# Altium PCB Fastino-DIOT.PCBDOC (part 4 of 22) (continued)
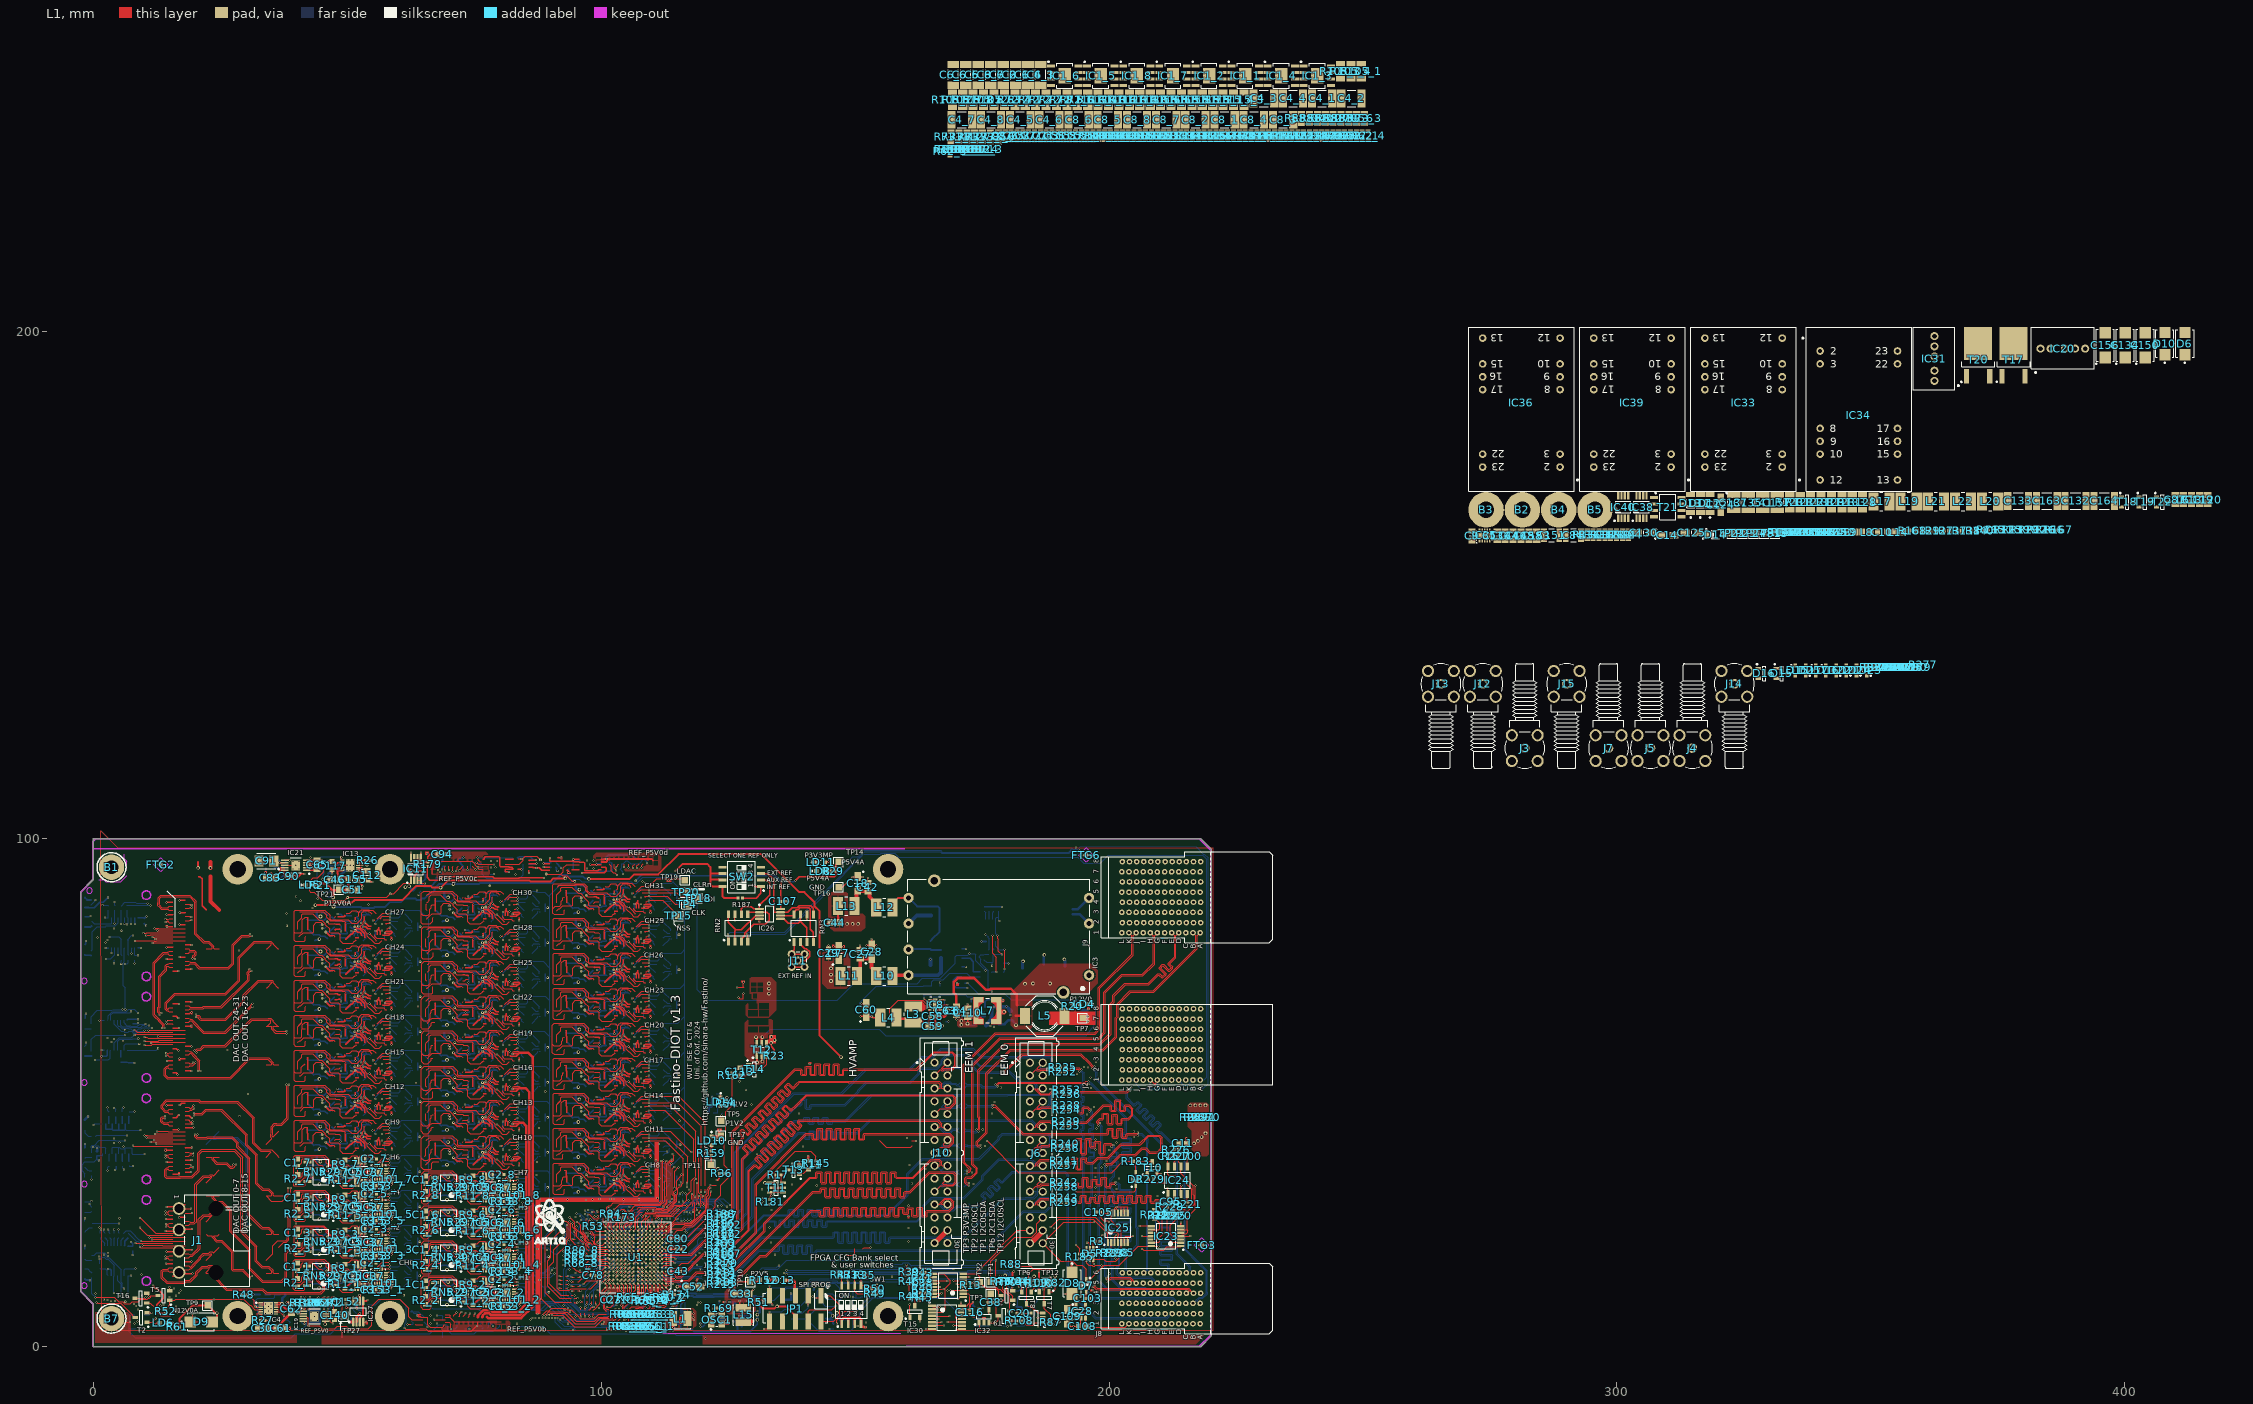
[diagram p0: L1 view]
## Nets (pads, with @x,y where several pads share a name; then routed paths per layer and width w, separated by ;. In a path a pad name is that pad's centre, name@x,y a point inside that pad or via, vN(x,y) a via of type N, cw(c..) or ccw(c..) an arc to the next point about the centre after c; other vN are vias at no path point) (continued)
  L6 w0.152: v1(3.15,80.696) 3.15,24.765 3.251,24.663 3.251,9.961 3.391,9.821 3.391,9.211 3.424,9.178 3.424,9.066 v1(3.472,9.019)
  L8 w0.152: v1(3.15,80.696) 4.997,80.696 5.504,80.189 5.504,78.516 5.504,77.148 5.588,77.064
AFE_IO_2V5_8: U1.N3 | length 211.8
  L1 w0.127: U1.N3@111.2,21.221 111.215,21.221 111.581,21.586 v1(111.581,21.592)
  L3 w0.127: v1(2.769,9.169) 4.236,7.702 5.756,7.702 7.702,5.756 11.777,5.756 11.897,5.877 12.726,5.877 17.522,1.08 110.652,1.08 111.217,1.645 111.489,1.645 112.471,2.627 112.471,2.81 112.644,2.983 112.644,4.457 114.008,5.821 114.008,5.848 114.402,6.241 114.402,6.554 115.023,7.175 115.739,7.175 115.818,7.254 115.962,7.254 116.209,7.501 116.924,7.501 117.907,8.483 117.907,8.647 117.916,8.656 117.916,13.179 117.932,13.195 117.932,17.508 117.525,17.914 117.525,18.622 116.055,20.092 116.023,20.092 116.015,20.101 115.587,20.101 114.591,21.097 114.591,21.264 114.214,21.642 114.046,21.642 114.029,21.659 113.463,21.659 113.458,21.664 113.134,21.664 113.129,21.659 111.947,21.659 111.932,21.644 111.633,21.644 v1(111.581,21.592)
  L6 w0.127: 2.515,10.439 2.515,9.468 2.769,9.214 v1(2.769,9.169)
  L6 w0.152: 2.515,10.439 2.515,15.054 2.445,15.124 2.445,18.023 2.452,18.03 2.452,18.209 2.445,18.216 2.445,23.246 2.343,23.348 2.343,60.949 2.515,61.121 v1(2.515,76.352)
  L8 w0.152: v1(2.515,76.352) 3.409,76.352 4.184,77.128 4.204,77.128 4.204,78.516
AFE_IO_2V5_9: U1.L5 | length 199.4
  L1 w0.127: U1.L5@109.6,19.621 109.614,19.621 109.952,19.958 v1(109.952,19.964)
  L3 w0.127: v1(7.034,9.69) 9.27,9.69 9.944,9.017 14.224,9.017 v1(14.986,9.779)
  L2 w0.127: v1(14.986,9.779) 14.986,9.068 15.367,8.687 15.367,6.667 15.677,6.357 15.677,6.178 20.847,1.008 83.787,1.008 84.988,2.21 84.988,5.543 86.516,7.071 89.849,7.071 92.211,9.433 92.211,14.268 91.625,14.855 91.625,18.432 91.585,18.472 91.585,21.587 91.625,21.627 91.625,23 91.96,23.335 91.96,23.951 92.035,24.025 92.531,24.025 93.095,24.589 93.095,24.68 93.41,24.994 93.41,25.733 93.8,26.123 94.234,26.123 95.492,27.381 96.368,27.381 96.469,27.28 99.415,27.28 99.49,27.204 100.431,27.204 100.8,26.835 100.8,26.076 100.874,26.001 101.253,26.001 103.521,23.733 106.25,23.733 106.625,23.358 106.625,20.842 107.075,20.391 109.525,20.391 v1(109.952,19.964)
  L6 w0.127: v1(7.397,13.97) 7.397,17.02 7.303,17.115 7.303,20.091 7.007,20.387 7.007,41.057 7.288,41.338 7.288,65.253 7.397,65.362 v1(7.397,66.04)
  L8 w0.127: 3.453,64.299 3.453,65.302 3.851,65.7 7.213,65.7 7.288,65.774 7.288,65.857 ; v1(7.034,9.69) 7.034,9.764 6.896,9.902 6.896,13.801 6.734,13.963 6.742,13.97 v1(7.397,13.97)
AFE_IO_2V5_10: U1.M4 | length 206.7
  L1 w0.127: U1.M4@110.4,20.421 110.4,20.431 110.72,20.75 v1(110.72,20.781)
  L3 w0.127: v1(8.338,8.01) 8.389,8.061 13.16,8.061 v1(13.183,8.039) ; v1(110.72,20.781) 111.14,21.201 111.849,21.201 112.052,21.405 112.48,21.405 112.675,21.21 112.707,21.21 113.034,20.883 113.429,20.883 113.57,20.742 114.056,20.742 114.96,19.838 115.95,19.838 117.156,18.633 117.156,17.925 117.678,17.402 117.678,13.3 117.662,13.284 117.662,8.761 117.653,8.752 117.653,8.588 116.819,7.755 115.959,7.755 115.634,7.429 114.918,7.429 114.148,6.659 114.148,6.346 113.754,5.953 113.754,5.926 112.39,4.562 112.39,4.542 112.217,4.369 v1@112.217,3.75
  L2 w0.127: v1(13.183,8.039) 13.183,6.985 13.11,6.912 13.11,6.588 13.338,6.359 13.571,6.359 19.43,0.5 110.555,0.5 112.09,2.035 112.5,2.445 112.5,3.5 v1(112.25,3.75)
  L2 w0.152: v1(8.296,15.367) 8.296,15.3 8.414,15.183 8.414,8.256 8.385,8.228 8.385,8.058 v1(8.338,8.01) ; v1@8.344,15.374 8.344,15.414 8.7,15.77 8.7,55.792 8.418,56.074 8.418,61.103 9.112,61.797 9.112,63.451 9.172,63.511 9.172,65.297 v1(8.768,65.7)
  L8 w0.152: 2.803,64.299 2.952,64.448 2.952,65.178 3.741,65.967 6.429,65.967 6.905,66.443 8.025,66.443 v1(8.768,65.7) ; 6.084,13.963 6.084,15.178 6.274,15.367 v1(8.296,15.367)
AFE_IO_2V5_11: U1.P1 | length 221.5
  L1 w0.127: U1.P1@112.8,22 113.294,22 113.456,22.162 114.256,22.162 115.015,22.92 115.981,22.92 116.699,23.638 117.978,23.638 121.054,26.714 121.054,29.132 121.26,29.337 121.26,29.442 121.59,29.772 121.59,30.531 v1(121.615,30.556)
  L3 w0.127: v1(6.02,11.405) 6.401,11.024 15.42,11.024 15.801,11.405 v1(15.875,11.405)
  L2 w0.127: v1(15.875,11.405) 15.875,6.856 16.185,6.546 16.185,6.389 21.239,1.334 82.93,1.334 84.48,2.885 84.48,3.974 84.525,4.018 84.525,4.973 84.48,5.018 84.48,5.754 86.305,7.579 87.047,7.579 87.227,7.759 88.288,7.759 89.281,8.752 89.281,8.858 90.141,9.717 90.141,13.583 89.757,13.966 89.757,17.056 90.516,17.815 90.516,21.962 91.095,22.54 91.095,23.266 90.704,23.656 90.704,25.782 91.323,26.401 92.562,26.401 92.955,26.793 93.189,26.793 94.395,27.999 105.049,27.999 105.303,28.253 105.953,28.253 106.207,27.999 108.017,27.999 108.237,28.219 111.482,28.219 113.208,29.945 113.208,30.61 113.264,30.666 113.264,32.316 113.917,32.969 116.913,32.969 118.57,31.312 120.622,31.312 120.642,31.293 120.686,31.293 121.042,30.937 121.234,30.937 v1(121.615,30.556)
  L2 w0.152: v1(1.219,64.262) 1.219,58.615 1.166,58.562 1.166,54.762 0.447,54.043 0.447,46.491 1.114,45.824 1.114,38.785 0.711,38.382 0.711,32.711 0.447,32.447 0.447,29.123 0.762,28.807 0.762,23.216 2.048,21.929 v1(2.048,18.124)
  L8 w0.127: 5.434,13.963 5.486,13.911 5.486,12.62 5.695,12.412 5.695,11.73 v1(6.02,11.405)
  L8 w0.152: v1(1.219,64.262) 2.116,64.262 2.153,64.299 ; v1(2.048,18.124) 2.048,18.086 2.681,17.453 3.07,17.453 5.434,15.089 5.434,13.963
AFE_IO_2V5_12: U1.M5 | length 208.3
  L1 w0.127: U1.M5@109.6,20.421 109.639,20.421 109.964,20.745 v1(109.982,20.745)
  L3 w0.127: v1(9.474,14.199) 13.915,14.199 v1(17.101,11.012)
  L2 w0.127: v1(9.296,42.621) 9.258,42.583 9.258,28.419 10.008,27.669 10.008,14.732 v1(9.474,14.199) v1@9.455,14.199 ; v1(17.101,11.012) 18.085,10.029 18.085,6.223 21.819,2.489 81.712,2.489 82.982,3.759 82.982,5.842 85.725,8.585 87.63,8.585 88.24,9.196 88.24,18.978 88.087,19.131 88.087,21.775 88.166,21.854 88.166,27.841 89.941,29.616 111.055,29.616 111.992,30.553 111.992,32.978 113.354,34.341 119.634,34.341 122.453,31.521 122.453,30.115 121.904,29.566 121.904,27.489 121.301,26.886 121.301,26.667 118.171,23.537 115.949,23.537 114.421,22.01 113.933,22.01 113.575,21.652 113.47,21.652 113.458,21.664 113.134,21.664 112.906,21.435 112.906,21.306 112.809,21.21 111.857,21.21 111.841,21.193 111.419,21.193 111.403,21.21 110.952,21.21 110.919,21.177 110.595,21.177 110.563,21.21 110.414,21.21 109.982,20.777 v1(109.982,20.745)
  L8 w0.127: 6.299,42.795 6.473,42.621 v1(9.296,42.621)
  L8 w0.254: 2.399,43.844 2.46,43.782 2.46,42.795 3.699,42.795 ; 3.699,43.844 3.699,42.795 ; 4.999,43.844 4.999,42.647 ; 6.299,43.844 6.299,42.795 6.15,42.647 4.999,42.647 ; 3.699,42.795 3.847,42.647 4.999,42.647
AFE_IO_2V5_13: U1.P2 | length 201.3
  L1 w0.127: U1.P2@112,22 112.409,22.41 113.222,22.41 113.425,22.612 113.425,22.714 113.885,23.174 115.876,23.174 116.593,23.892 117.873,23.892 120.8,26.82 120.8,28.018 120.739,28.08 120.739,29.519 121.138,29.918 121.138,30.815 121.514,31.191 v1(121.564,31.191)
  L3 w0.127: v1(9.601,10.102) 9.609,10.094 9.609,9.711 10.049,9.271 12.149,9.271 13.048,10.169 15.148,10.169 15.31,10.008 v1(16.281,10.008)
  L2 w0.127: v1(16.281,10.008) 16.281,9.957 17.018,9.22 17.018,5.914 21.344,1.588 82.825,1.588 84.226,2.99 84.226,4.079 84.271,4.124 84.271,4.868 84.226,4.912 84.226,5.859 86.2,7.833 86.941,7.833 87.122,8.013 88.183,8.013 89.027,8.857 89.027,15.652 88.941,15.737 88.941,22.531 89.101,22.692 89.344,22.692 90.241,23.588 90.241,25.761 91.102,26.623 91.186,26.623 91.218,26.655 92.16,26.655 92.304,26.799 92.601,26.799 92.85,27.047 92.935,27.047 94.141,28.253 104.944,28.253 105.198,28.507 106.058,28.507 106.312,28.253 107.911,28.253 108.131,28.473 111.377,28.473 112.954,30.05 112.954,30.715 113.01,30.771 113.01,32.422 113.812,33.223 117.018,33.223 118.675,31.566 120.727,31.566 120.747,31.547 120.792,31.547 121.147,31.191 v1(121.564,31.191)
  L6 w0.127: v1(9.601,10.102) 9.601,10.158 9.936,10.493 9.936,11.807 9.861,11.881 cw(c10.42,12.9) 9.401,12.341 9.084,12.659 9.084,18.147 10.008,19.071 10.008,25.089 9.246,25.851 9.246,33.091 9.34,33.328 cw(c10.42,32.9) 9.935,33.956 ccw(c9.881,34.071) 9.994,34.014 10.008,34.041 v1(10.008,37.897)
  L8 w0.127: 3.699,37.944 3.699,39.169 3.773,39.243 4.978,39.243 ; 4.999,37.944 4.999,39.223 4.978,39.243 ; 6.299,37.944 6.299,39.117 6.274,39.141 ; v1(10.008,37.897) 7.646,37.897 7.599,37.944 7.599,38.934 7.391,39.141 6.274,39.141 ; 4.978,39.243 5.109,39.243 5.375,38.976 6.048,38.976 6.213,39.141 6.274,39.141
AFE_IO_2V5_14: U1.N4 | length 190.3
  L1 w0.127: U1.N4@110.4,21.221 110.416,21.221 110.757,21.562 v1(110.757,21.567)
  L3 w0.127: v1(8.687,4.928) 8.722,4.962 13.199,4.962 17.335,0.826 110.758,0.826 111.322,1.391 111.594,1.391 112.725,2.522 112.725,2.705 112.898,2.878 112.898,4.332 112.969,4.402 112.969,4.423 114.262,5.716 114.262,5.742 114.656,6.136 114.656,6.14 114.719,6.203 114.719,6.512 115.128,6.921 115.844,6.921 115.923,7 116.068,7 116.314,7.247 117.03,7.247 118.161,8.378 118.161,8.541 118.17,8.551 118.17,13.074 118.186,13.09 118.186,17.613 117.779,18.02 117.779,18.76 116.129,20.411 115.636,20.411 114.845,21.202 114.845,21.369 114.765,21.449 114.765,21.544 114.3,22.01 113.933,22.01 113.927,22.003 113.821,22.003 113.668,22.156 112.924,22.156 112.778,22.01 111.21,22.01 110.767,21.567 v1(110.757,21.567)
  L2 w0.127: v1(8.067,55.855) 7.676,55.464 7.676,43.121 8.178,42.619 8.178,30.35 7.906,30.077 7.906,20.204 8.084,20.027 8.084,15.707 7.906,15.529 7.906,13.927 7.62,13.641 7.62,5.994 v1(8.687,4.928) ; v1(110.757,21.567) v1@110.83,21.567
  L8 w0.254: 5.41,56.032 6.695,56.032 6.872,55.855 v1(8.067,55.855)
AFE_IO_2V5_15: U1.R1 | length 228.3
  L1 w0.127: U1.R1@112.8,22.8 112.839,22.839 113.19,22.839 114.472,24.121 116.463,24.121 116.488,24.146 117.767,24.146 120.546,26.925 120.546,27.913 120.485,27.975 120.485,29.807 120.884,30.206 120.884,30.921 121.069,31.106 121.069,31.305 v1(121.564,31.801) 122.618,31.801 122.644,31.775
  L3 w0.127: v1(4.064,10.516) 4.92,10.516 5.15,10.746 16.587,10.746 16.792,10.541 v1(16.866,10.541)
  L2 w0.127: v1(-0.092,39.284) v1@0.029,39.284 ; v1(0.029,43.663) 0.029,43.589 -0.092,43.468 -0.092,39.404 v1@0.029,39.284 ; v1@0.036,43.67 0.029,43.678 0.029,46.137 -1.541,47.706 -1.541,50.551 -0.099,51.992 -0.099,56.008 v1(0.331,56.439) ; v1(1.099,17.755) 0.216,18.637 0.216,28.581 -0.24,29.037 -1.084,29.037 -1.503,29.456 -1.535,29.708 cw(c-0.8,29.8) -1.414,30.213 -0.806,31.119 -0.099,32.294 -0.099,32.673 0.009,32.782 0.009,39.109 -0.04,39.158 -0.04,39.216 v1@0.029,39.284 ; v1(16.866,10.541) 16.866,9.732 17.272,9.325 17.272,6.02 21.449,1.842 82.72,1.842 83.972,3.095 83.972,4.184 84.017,4.229 84.017,4.763 83.972,4.807 83.972,5.964 86.095,8.087 86.836,8.087 87.017,8.267 88.078,8.267 88.773,8.963 88.773,15.546 88.687,15.632 88.687,22.701 89.125,23.139 89.125,24.575 89.379,24.829 89.379,25.239 89.987,25.846 89.987,25.866 90.997,26.877 91.017,26.877 92.647,28.507 104.839,28.507 105.135,28.804 106.121,28.804 106.417,28.507 107.806,28.507 108.052,28.753 111.297,28.753 112.7,30.155 112.7,32.673 113.504,33.477 117.348,33.477 118.212,32.614 120.039,32.614 120.852,31.801 v1(121.564,31.801)
  L8 w0.127: v1(-0.092,39.284) 0.301,39.284 0.527,39.51 0.895,39.51 1.137,39.268 2.184,39.268 2.399,39.054 2.399,37.944 ; v1(0.029,43.663) 0.102,43.663 0.284,43.844 1.749,43.844 ; v1(0.331,56.439) 2.946,56.439 3.291,56.784 3.291,58.237 3.453,58.399 ; v1(1.099,17.755) 1.277,17.755 1.438,17.593 2.158,17.593 2.564,17.186 2.96,17.186 4.134,16.012 4.134,13.963 3.973,13.801 3.973,12.491 3.959,12.478 3.959,10.694 4.064,10.589 v1(4.064,10.516)
BGA0: IC23.4 J8.C3 | length 19.8
  L1 w0.127: IC23.4@214.25,21.75 v1(216,21.75)
  L5 w0.127: J8.C3@215.139,8.5 216.139,9.5 218.5,9.5 218.947,9.947 218.947,15.553 215.5,19 215.5,21.676 215.574,21.75 v1(216,21.75)
BGA1: IC23.1 J8.F3 | length 30.5
  L1 w0.127: v1(206.5,19.25) 206.552,19.25 206.802,19 210.75,19 211.388,19.638 214.138,19.638 IC23.1@214.25,19.75
  L5 w0.127: v1(206.5,19.25) 204.25,19.25 202.143,17.143 202.143,15.051 201.616,14.525 201.616,10.384 202.25,9.75 209.689,9.75 J8.F3@210.939,8.5
BGA2: IC23.11 J8.I3 | length 21.5
  L1 w0.127: v1(206.5,21.75) IC23.11@208,21.75
  L5 w0.127: v1(206.5,21.75) 204.254,19.504 204.145,19.504 201.889,17.248 201.889,17.081 201.511,16.704 201.344,16.704 201.246,16.605 201.246,11.855 201.246,10.395 201.898,9.743 202.145,9.496 205.743,9.496 J8.I3@206.739,8.5
BGA3: IC23.8 J8.L3 | length 20.6
  L1 w0.127: v1(206,23.75) IC23.8@208.5,23.75
  L5 w0.127: J8.L3@202.539,8.5 201.5,9.539 201.5,9.782 200.992,10.29 200.992,14.742 200.992,16.71 201.239,16.958 201.406,16.958 201.635,17.186 201.635,17.353 204.04,19.758 204.149,19.758 206,21.609 v1(206,23.75)
BP_I2C.SCL: D5.3 J8.B2 R233.1 | length 36.3
  L1 w0.127: D5.3@195.6,19.35 195.6,18.65 196,18.25 v1(196.75,18.25) 198.25,18.25 198.75,17.75 200.109,17.75 R233.1@200.279,17.92
  L6 w0.127: v1(196.75,18.25) 196.75,18.198 196.5,17.948 196.5,16 196.75,15.75 197,15.75 197.75,15 197.75,9.5 201.75,5.5 215.639,5.5 J8.B2@216.639,6.5
BP_I2C.SDA: D5.1 J8.C2 R3.1 | length 31
  L1 w0.127: R3.1@197.25,20.75 197.25,20.73 196.9,20.38 D5.1@196.9,19.35 197,19.25 v1(198.75,19.25)
  L6 w0.127: v1(198.75,19.25) 199,19 199,15.488 198.512,15 198.512,10.238 201,7.75 207,7.75 207.5,7.25 214.489,7.25 J8.C2@215.239,6.5
BP_IO.LVDS_N0: J8.E3 R252.1 | length 73.3
  L1 w0.127: R252.1@191.37,54.1 191.37,54.12 191.66,54.41 192.677,54.41 192.87,54.603 193.997,54.603 194.16,54.44 194.16,54.265 v1(194.212,54.212)
  L8 w0.127: v1(194.212,54.212) 194.265,54.16 194.44,54.16 194.5,54.1 194.804,53.796 194.804,53.188 194.804,52.128 194.729,52.053 194.545,52.053 194.381,51.89 194.381,51.023 194.545,50.86 194.874,50.86 194.874,50.225 194.545,50.225 194.381,50.061 194.381,49.195 194.545,49.031 194.874,49.031 194.874,48.396 194.545,48.396 194.381,48.232 194.381,47.366 194.545,47.202 194.874,47.202 194.874,46.567 194.545,46.567 194.381,46.403 194.381,45.537 194.545,45.373 194.874,45.373 194.874,44.738 194.545,44.738 194.381,44.575 194.381,43.708 194.545,43.544 194.874,43.544 194.874,42.909 194.545,42.909 194.381,42.746 194.381,41.879 194.545,41.716 194.874,41.716 194.874,41.081 194.545,41.081 194.381,40.917 194.381,40.051 194.545,39.887 194.874,39.887 194.874,39.252 194.545,39.252 194.381,39.088 194.381,38.222 194.545,38.058 194.874,38.058 194.874,37.423 194.545,37.423 194.381,37.259 194.381,36.393 194.545,36.229 194.729,36.229 194.804,36.155 194.804,34.67 194.804,11.501 196.905,9.4 212.486,9.4 212.899,8.987 212.899,8.882 212.517,8.5 J8.E3@212.339,8.5
BP_IO.LVDS_N1: J8.B3 R253.1 | length 71.7
  L1 w0.127: R253.1@192.12,50.6 192.12,50.58 192.41,50.29 203.491,50.29 203.664,50.463 203.664,50.638 v1(203.716,50.69)
  L8 w0.127: v1(203.716,50.69) 203.664,50.638 203.664,50.463 203.366,50.165 203.366,48.841 204.361,47.847 204.464,47.744 204.796,47.412 205.133,47.412 205.683,47.962 206.132,47.513 205.339,46.721 205.339,46.489 205.952,45.877 206.184,45.877 206.976,46.669 207.425,46.22 206.633,45.428 206.633,45.196 207.245,44.584 207.477,44.584 208.269,45.376 208.718,44.927 207.926,44.135 207.926,43.903 208.538,43.29 208.77,43.29 209.562,44.083 210.011,43.634 209.219,42.841 209.219,42.61 209.832,41.997 210.063,41.997 210.084,42.018 210.189,42.018 210.292,41.916 214.782,37.425 214.782,19.126 217.526,16.383 219.114,14.795 219.114,10.553 219.126,10.54 218.345,9.76 217.756,9.76 217.099,9.103 217.099,8.882 216.717,8.5 J8.B3@216.539,8.5
BP_IO.LVDS_N2: J8.C4 R254.1 | length 69.7
  L1 w0.127: R254.1@192.12,46.6 192.12,46.62 192.41,46.91 192.71,46.91 192.971,46.91 193.209,47.148 193.209,47.926 193.844,47.926 193.844,46.058 194.008,45.894 194.874,45.894 195.038,46.058 195.038,46.836 195.112,46.91 195.651,46.91 195.695,46.91 196.063,46.542 196.063,46.367 v1(196.115,46.315) ; v1(196.762,11.762) 196.815,11.71 196.99,11.71 197.526,11.174 202.266,11.174 202.332,11.241 215.545,11.241 215.799,10.987 215.799,10.882 215.417,10.5 J8.C4@215.239,10.5
  L8 w0.127: v1(196.115,46.315) 196.167,46.263 196.342,46.263 196.505,46.099 196.505,45.771 196.505,44.881 196.431,44.806 196.193,44.806 196.03,44.643 196.03,43.776 196.193,43.613 196.685,43.613 196.685,42.978 196.193,42.978 196.03,42.814 196.03,41.948 196.193,41.784 196.685,41.784 196.685,41.149 196.193,41.149 196.03,40.985 196.03,40.119 196.193,39.955 196.837,39.955 196.837,39.32 196.193,39.32 196.03,39.156 196.03,38.29 196.193,38.126 196.956,38.126 196.956,37.491 196.193,37.491 196.03,37.328 196.03,36.461 196.193,36.297 196.431,36.297 196.505,36.223 196.505,36.078 196.505,29.664 196.08,29.239 196.08,12.62 196.71,11.99 196.71,11.815 v1(196.762,11.762)
BP_IO.LVDS_N3: J8.L4 R255.1 | length 73.1
  L1 w0.127: R255.1@192.03,43.49 192.03,43.51 192.321,43.8 193.029,43.8 193.239,44.01 195.636,44.01 198.946,47.32 199.517,47.32 200.175,47.32 200.25,47.246 200.25,46.468 200.413,46.304 201.28,46.304 201.444,46.468 201.444,48.336 202.079,48.336 202.079,46.468 202.242,46.304 203.109,46.304 203.272,46.468 203.272,47.246 203.347,47.32 203.492,47.32 203.86,47.32 204.267,46.914 204.445,46.736 204.445,45.669 203.759,44.983 203.56,44.983 202.603,44.983 202.365,44.745 202.365,43.967 201.73,43.967 201.73,45.607 201.567,45.771 200.7,45.771 200.537,45.607 200.537,43.967 199.902,43.967 199.902,45.836 199.738,45.999 198.871,45.999 198.708,45.836 198.708,45.058 198.633,44.983 198.488,44.983 198.18,44.983 197.876,44.679 197.855,44.679 197.585,44.409 197.585,44.072 197.741,43.916 197.746,43.916 197.895,43.767 197.895,43.595 v1(197.947,43.543)
  L8 w0.127: 198.161,43.491 198.357,43.296 198.357,36.404 197.849,35.896 197.849,15.706 197.887,15.668 197.921,15.668 197.921,12.879 199.839,10.961 202.158,10.961 202.619,10.5 J8.L4@202.639,10.5
BP_IO.LVDS_N4: J8.I4 R256.1 | length 73.4
  L1 w0.127: R256.1@191.87,39.05 191.87,39.07 192.16,39.36 192.649,39.36 192.813,39.524 193.023,39.734 193.036,39.734 193.522,39.734 193.76,39.972 193.76,40.75 194.395,40.75 194.395,37.926 194.559,37.762 195.425,37.762 195.589,37.926 195.589,40.75 196.224,40.75 196.224,39.337 196.388,39.173 197.254,39.173 197.418,39.337 197.418,40.119 198.053,40.119 198.053,37.926 198.216,37.762 199.083,37.762 199.246,37.926 199.246,39.66 199.321,39.734 199.466,39.734 200.261,39.734 200.425,39.571 200.425,39.396 v1(200.477,39.344)
  L8 w0.127: v1(200.477,39.344) 200.529,39.292 200.704,39.292 200.867,39.129 200.867,38.633 200.867,38.372 201.105,38.134 201.51,38.134 201.51,37.499 200.313,37.499 200.149,37.336 200.149,36.469 200.313,36.305 201.51,36.305 201.51,35.67 200.313,35.67 200.149,35.507 200.149,34.64 200.313,34.477 200.793,34.477 200.867,34.402 200.867,33.662 200.857,33.652 200.118,32.913 200.118,31.182 200.2,31.1 200.426,30.874 200.521,30.779 200.521,30.613 200.759,30.375 200.93,30.375 200.93,29.74 200.243,29.74 200.079,29.576 200.079,28.71 200.243,28.546 200.882,28.546 200.882,27.911 200.243,27.911 200.079,27.748 200.079,26.881 200.243,26.717 200.93,26.717 200.93,26.082 200.243,26.082 200.079,25.919 200.079,25.052 200.243,24.889 200.93,24.889 200.93,24.254 200.388,24.254 200.224,24.09 200.224,23.223 200.388,23.06 200.896,23.06 200.896,22.425 200.243,22.425 200.079,22.261 200.079,21.395 200.243,21.231 200.93,21.231 200.93,20.596 200.243,20.596 200.079,20.432 200.079,19.566 200.243,19.402 200.93,19.402 200.93,18.767 200.243,18.767 200.079,18.604 200.079,17.737 200.243,17.573 200.574,17.573 200.574,16.938 200.243,16.938 200.079,16.775 200.079,15.908 200.243,15.745 200.446,15.745 200.521,15.67 200.521,15.057 200.521,13.076 202.102,11.495 203.051,11.495 203.145,11.4 206.986,11.4 207.399,10.987 207.399,10.882 207.017,10.5 J8.I4@206.839,10.5
BP_IO.LVDS_N5: J8.K5 R257.1 | length 70.3
  L1 w0.127: R257.1@191.62,35.7 191.62,35.72 191.91,36.01 192.405,36.01 192.521,36.01 192.666,36.011 192.904,36.249 192.904,36.866 193.539,36.866 193.539,34.954 193.703,34.79 194.569,34.79 194.733,34.954 194.733,36.866 195.368,36.866 195.368,36.249 195.606,36.011 195.871,36.011 ; 195.872,36.01 196.133,36.01 ; 196.133,36.011 196.883,36.011 197.89,37.018 199.821,37.018 202.427,39.624 206.045,39.624 206.208,39.788 207.797,41.377 209.829,41.377 210.236,40.97 210.236,39.04 209.575,38.379 208.037,38.379 207.289,39.127 206.412,39.127 205.156,37.871 202.17,37.871 200.406,36.108 199.563,36.108 199.398,35.942 199.214,35.942 v1(199.161,35.89) ; v1(199.427,13.427) 199.48,13.375 199.655,13.375 199.873,13.157 200.21,13.157 200.453,13.4 204.086,13.4 204.499,12.987 204.499,12.882 204.117,12.5 J8.K5@203.939,12.5
  L8 w0.127: v1(199.161,35.89) 199.133,35.862 199.133,25.206 199.187,25.152 199.187,13.843 199.375,13.655 199.375,13.48 v1(199.427,13.427)
BP_IO.LVDS_N6: J8.H5 R258.1 | length 73.8
  L1 w0.127: R258.1@191.62,31.45 191.62,31.47 191.91,31.76 192.364,31.76 192.528,31.924 192.614,32.01 192.811,32.01 193.711,32.01 193.785,31.936 193.785,31.428 193.949,31.264 194.816,31.264 194.979,31.428 194.979,33.026 195.614,33.026 195.614,31.428 195.778,31.264 196.644,31.264 196.808,31.428 196.808,32.703 197.443,32.703 197.443,31.835 197.607,31.671 198.473,31.671 198.637,31.835 198.637,33.026 199.272,33.026 199.272,31.428 199.436,31.264 200.302,31.264 200.466,31.428 200.466,31.936 200.54,32.01 200.685,32.01 201.11,32.01 201.234,31.887 v1(201.308,31.887)
  L8 w0.127: v1(201.308,31.887) 201.382,31.887 201.506,32.01 201.678,32.01 201.891,31.798 201.891,31.242 201.891,30.981 202.129,30.743 204.131,30.743 204.131,30.108 201.817,30.108 201.654,29.944 201.654,29.078 201.817,28.914 204.131,28.914 204.131,28.279 202.054,28.279 201.891,28.115 201.891,27.249 202.054,27.085 204.131,27.085 204.131,26.45 201.817,26.45 201.654,26.287 201.654,25.42 201.817,25.256 204.131,25.256 204.131,24.621 201.817,24.621 201.654,24.458 201.654,23.591 201.817,23.428 204.131,23.428 204.131,22.793 202.054,22.793 201.891,22.629 201.891,21.763 202.054,21.599 204.08,21.599 204.08,20.964 202.129,20.964 201.891,20.726 201.891,19.246 201.896,19.241 201.896,19.226 201.89,19.22 201.89,19.104 201.885,19.099 201.879,19.101 201.879,16.129 201.413,15.663 201.413,14.283 201.987,13.709 202.229,13.467 208.219,13.467 208.699,12.987 208.699,12.882 208.317,12.5 J8.H5@208.139,12.5
BP_IO.LVDS_N7: J8.F6 R259.1 | length 73.1
  L1 w0.127: R259.1@191.62,28.4 191.62,28.42 191.91,28.71 192.343,28.71 192.458,28.71 193.374,28.71 193.448,28.636 193.448,28.427 193.612,28.263 194.478,28.263 194.642,28.427 194.642,29.474 195.277,29.474 195.277,28.427 195.44,28.263 196.307,28.263 196.471,28.427 196.471,29.121 197.106,29.121 197.106,28.427 197.269,28.263 198.136,28.263 198.299,28.427 198.299,29.474 198.934,29.474 198.934,28.427 199.098,28.263 199.965,28.263 200.128,28.427 200.128,29.474 200.763,29.474 200.763,28.427 200.927,28.263 201.793,28.263 201.957,28.427 201.957,29.474 202.592,29.474 202.592,28.427 202.756,28.263 203.622,28.263 203.786,28.427 203.786,29.474 204.421,29.474 204.421,28.427 204.584,28.263 205.451,28.263 205.615,28.427 205.615,29.474 206.25,29.474 206.25,28.427 206.413,28.263 207.28,28.263 207.443,28.427 207.443,29.474 208.078,29.474 208.078,28.427 208.242,28.263 209.109,28.263 209.272,28.427 209.272,28.636 209.347,28.71 209.492,28.71 210.002,28.71 210.126,28.587 v1(210.2,28.587)
  L8 w0.127: v1(210.2,28.587) 210.274,28.587 210.398,28.71 210.628,28.71 211.599,27.74 211.599,27.52 211.599,27.259 211.837,27.021 212.234,27.021 212.234,26.386 210.205,26.386 210.041,26.222 210.041,25.356 210.205,25.192 212.234,25.192 212.234,24.557 210.205,24.557 210.041,24.393 210.041,23.527 210.205,23.363 211.83,23.363 211.83,22.728 211.554,22.728 211.39,22.565 211.39,21.698 211.554,21.534 212.234,21.534 212.234,20.899 210.304,20.899 210.14,20.736 210.14,19.869 210.304,19.706 212.234,19.706 212.234,19.071 210.205,19.071 210.041,18.907 210.041,18.04 210.205,17.877 212.234,17.877 212.234,17.242 210.205,17.242 210.041,17.078 210.041,16.212 210.205,16.048 211.525,16.048 211.599,15.974 211.599,15.609 211.599,15.06 J8.F6@211.039,14.5
BP_IO.LVDS_N8: J8.C6 R260.1 | length 77
  L1 w0.127: v1(179.146,53.724) 179.22,53.724 179.344,53.848 179.652,53.848 179.89,54.086 179.89,54.324 182.97,57.404 194.335,57.404 195.966,55.773 196.444,55.295 196.748,54.991 196.748,54.816 v1(196.801,54.764)
  L8 w0.127: R260.1@171.7,54.5 171.926,54.726 171.926,54.786 172.001,54.86 172.028,54.86 172.041,54.873 173.244,54.873 173.584,54.534 174.269,53.848 178.949,53.848 179.072,53.724 v1(179.146,53.724) ; v1(196.801,54.764) 196.819,54.764 197.03,54.553 197.03,54.341 197.383,53.988 197.383,52.64 213.233,36.79 213.233,18.212 214.224,17.221 215.799,15.646 215.799,15.06 J8.C6@215.239,14.5
BP_IO.LVDS_N9: J8.L6 R261.1 | length 75.3
  L1 w0.127: v1(177.995,51.266) 178.047,51.318 178.047,51.493 178.366,51.812 195.423,51.812 195.547,51.688 v1(195.986,51.688)
  L8 w0.127: R261.1@171.67,51 171.896,51.226 171.896,51.286 171.971,51.36 171.998,51.36 172.011,51.373 172.11,51.373 172.135,51.348 174.62,51.348 174.972,50.995 177.549,50.995 177.768,51.213 177.943,51.213 v1(177.995,51.266) ; v1(195.986,51.688) 196.445,51.688 203.199,44.934 203.199,42.723 203.199,42.153 203.125,42.079 202.714,42.079 202.55,41.915 202.55,41.049 202.714,40.885 204.215,40.885 204.215,40.25 202.714,40.25 202.55,40.086 202.55,39.22 202.714,39.056 204.215,39.056 204.215,38.421 202.714,38.421 202.55,38.258 202.55,37.391 202.714,37.228 203.125,37.228 ; J8.L6@202.639,14.5 203.199,15.06 203.199,17.742 205.461,20.004 205.461,23.216 205.308,23.368 205.226,23.45 205.226,35.224 203.223,37.228 203.125,37.228 ; 202.919,37.228 203.125,37.228
BP_IO.LVDS_N10: J8.I6 R262.1 | length 71.1
  L1 w0.127: v1(177.063,47.086) 177.105,47.128 177.611,47.128 183.032,41.707 198.984,41.707 199.72,41.707 199.958,41.945 199.958,42.723 200.593,42.723 200.593,41.234 200.756,41.071 201.623,41.071 201.786,41.234 201.786,42.723 202.421,42.723 202.421,41.234 202.585,41.071 203.452,41.071 203.615,41.234 203.615,41.632 203.69,41.707 203.835,41.707 205.588,41.707 205.664,41.631 v1(205.664,41.583)
  L8 w0.127: R262.1@171.77,46.9 171.77,46.92 172.06,47.21 176.866,47.21 176.99,47.086 v1(177.063,47.086) ; v1(205.664,41.583) 205.738,41.583 205.861,41.707 206.381,41.707 207.412,40.676 207.412,40.01 207.399,39.997 207.399,15.684 207.399,15.06 J8.I6@206.839,14.5
BP_IO.LVDS_N11: J9.E1 R263.1 | length 76.9
  L1 w0.127: v1(173.914,42.774) 173.966,42.826 174.141,42.826 174.304,42.989 174.304,45.005 174.184,45.126 174.184,54.386 179.488,59.69 198.171,59.69 200.152,61.671 200.152,67.386 200.736,67.97 200.736,69.153 203.135,71.552 207.721,71.552 209.067,72.898 209.623,73.454 209.96,73.454 210.51,72.904 210.959,73.353 209.891,74.421 209.891,74.652 210.504,75.265 210.735,75.265 211.803,74.197 212.252,74.646 211.702,75.196 211.702,75.533 211.887,75.717 212.899,76.73 212.899,80.69 212.899,80.94 J9.E1@212.339,81.5
  L8 w0.127: R263.1@171.45,43.046 171.677,42.82 171.677,42.791 171.751,42.717 172.4,42.717 172.402,42.715 172.708,42.715 173.04,42.383 173.698,42.383 173.862,42.546 173.862,42.721 v1(173.914,42.774)
BP_IO.LVDS_N12: J9.B1 R264.1 | length 77.5
  L1 w0.127: v1(174.65,39.199) 174.577,39.199 174.453,39.322 174.144,39.322 173.839,39.628 173.839,40.311 175.768,42.24 175.768,53.786 180.554,58.572 198.792,58.572 201.27,61.05 201.27,64.759 201.498,64.987 201.498,67.426 204.126,70.053 208.717,70.053 217.099,78.435 217.099,79.992 217.099,80.94 J9.B1@216.539,81.5
  L8 w0.127: 171.645,39.41 171.663,39.428 171.982,39.428 172,39.41 172.129,39.41 172.141,39.398 173.189,39.398 173.264,39.322 174.453,39.322 174.577,39.199 v1(174.65,39.199)